# Altium PCB S6.PcbDoc (part 6 of 14) (continued)
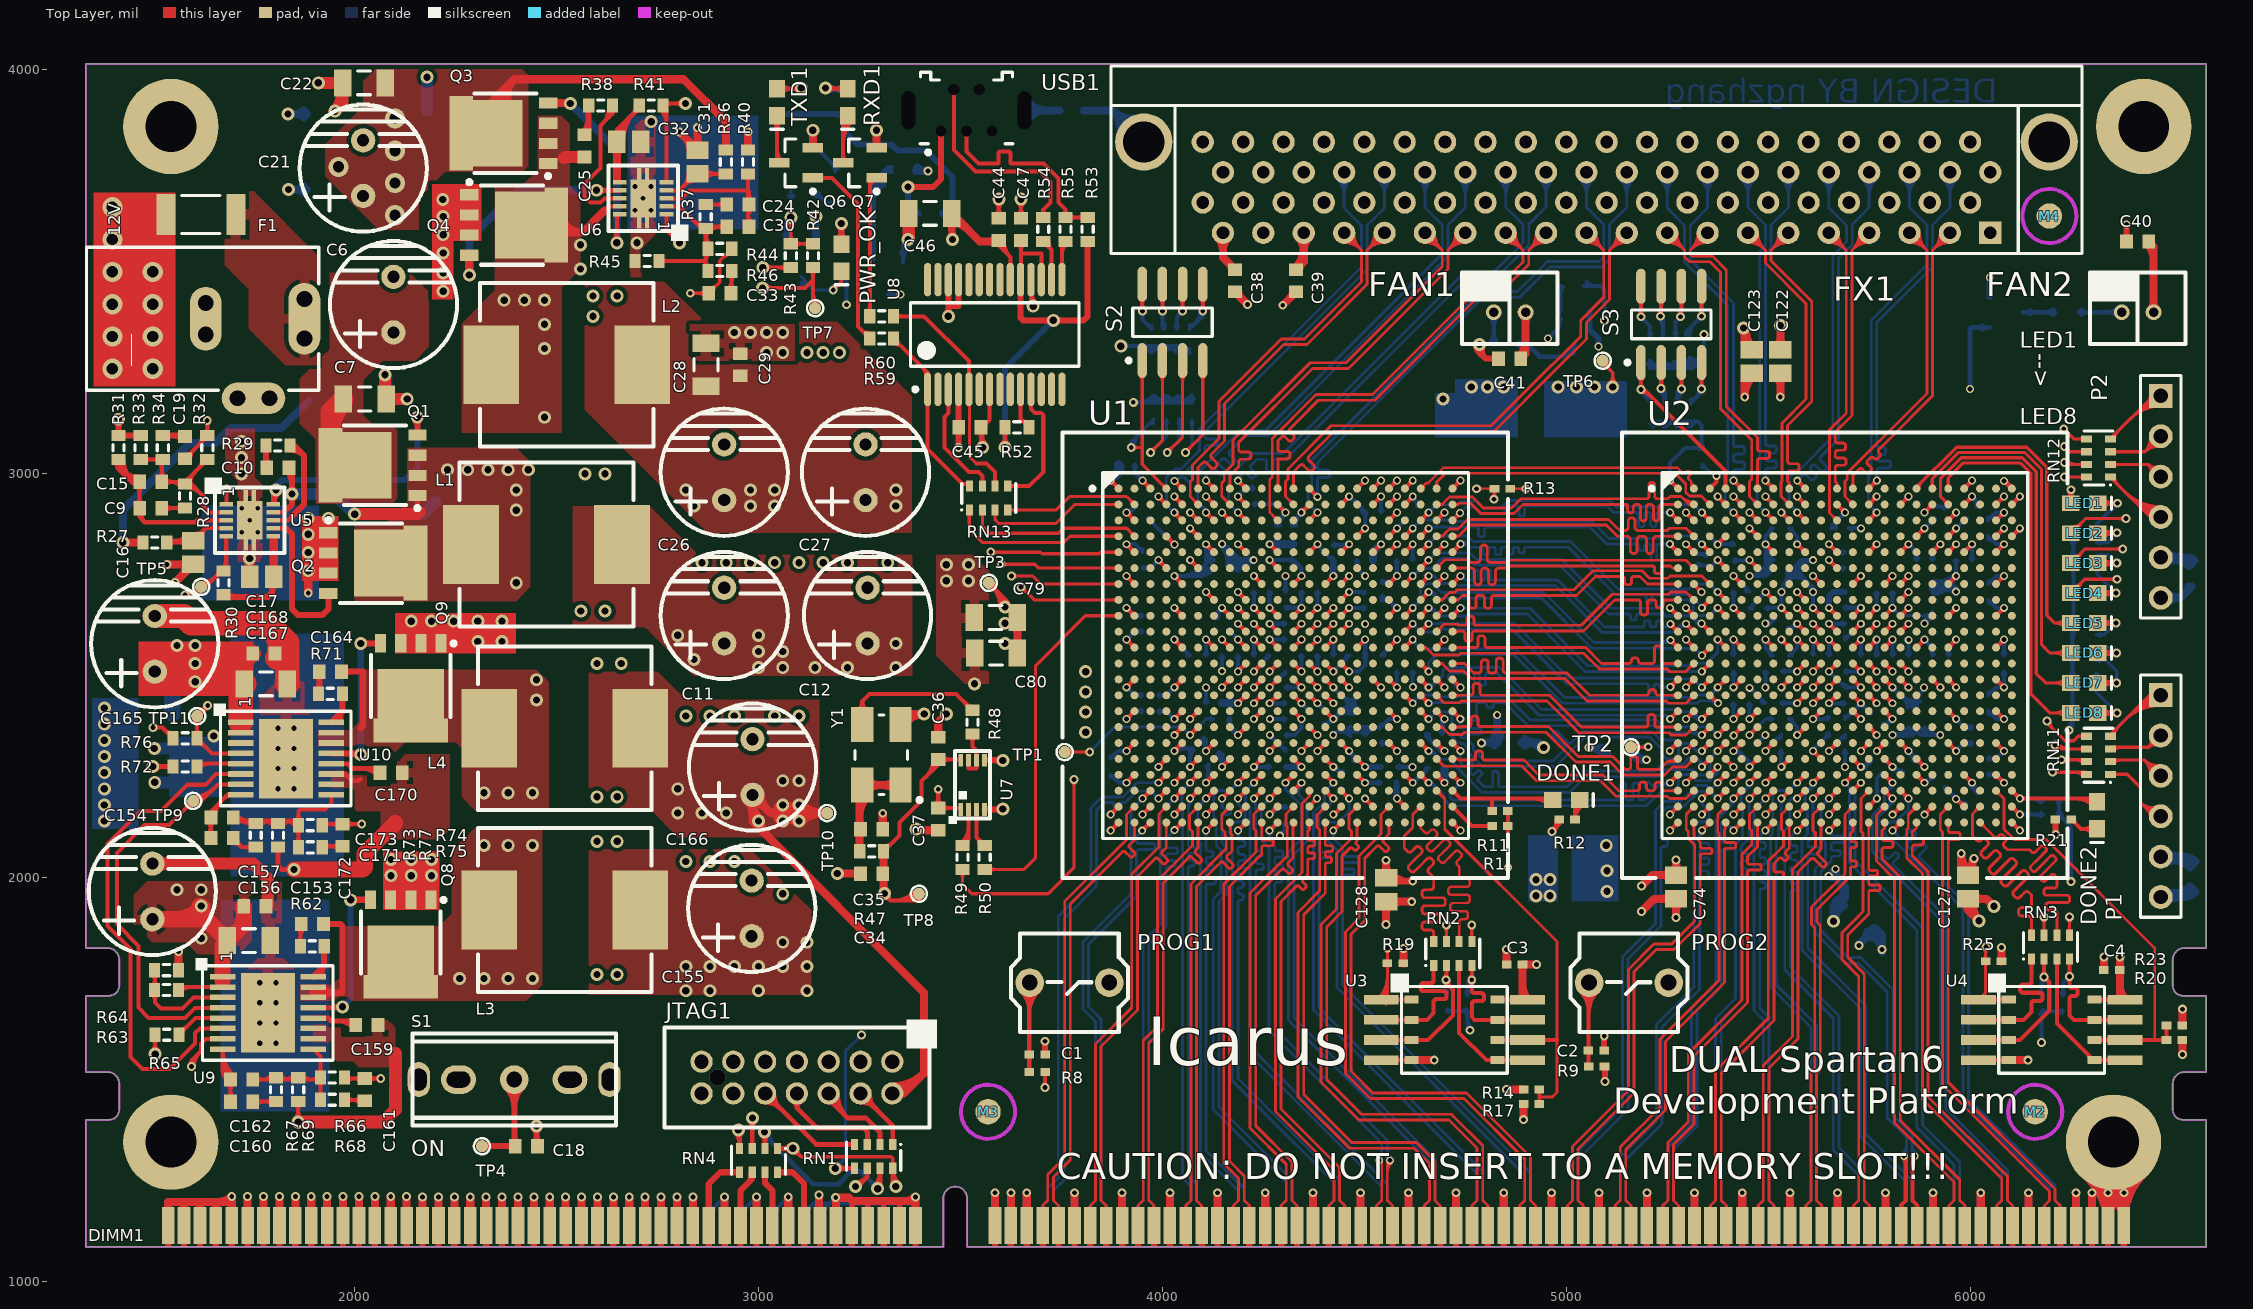
[diagram p0: Top Layer view]
## Nets (pads, with @x,y where several pads share a name; then routed paths per layer and width w, separated by ;. In a path a pad name is that pad's centre, name@x,y a point inside that pad or via, vN(x,y) a via of type N, cw(c..) or ccw(c..) an arc to the next point about the centre after c; other vN are vias at no path point) (continued)
FPGA2_SW1: RN8.5 S3.1 U2.A4 | length 581.4
  Top Layer w10: S3.1@5180.18,3239.2 cw(c5168.56,3227.57) 5185,3227.57 cw(c5201.44,3227.57) S3.1@5189.82,3239.2 ; v3@5180.76,3213.24 ccw(c5170.51,3223.49) 5185,3223.49 ccw(c5199.49,3223.49) v3@5189.24,3213.24 ; v3@5185,3203 cw(c5185,3171.62) 5207.19,3193.81 ; S3.1@5185,3275.51 v3(5185,3209) 5192,3209 5394.16,3006.84 5394.16,2963.95 U2.A4@5394.72,2963.39 ; U2.A4@5391.3,2966.81 ccw(c5384.4,2973.71) 5394.16,2973.71 ; 5394.16,2976.45 ccw(c5407.78,2976.45) U2.A4@5398.15,2966.81
  Bottom Layer w10: v3(5185,3209) 5185,3202.28 RN8.5@5212.76,3174.53 ; v3@5191,3209 ccw(c5221.7,3209) 5199.99,3187.29 ; 5197.77,3189.52 ccw(c5212.76,3204.5) RN8.5@5212.76,3183.31
FPGA2_SW2: RN8.6 S3.2 U2.D6 | length 839.2
  Top Layer w10: S3.2@5230.18,3239.2 cw(c5218.56,3227.57) 5235,3227.57 cw(c5251.44,3227.57) S3.2@5239.82,3239.2 ; v3@5230.76,3215.24 ccw(c5220.51,3225.49) 5235,3225.49 ccw(c5249.49,3225.49) v3@5239.24,3215.24 ; v3(5235,3211) S3.2@5235,3275.51 ; v1@5453.78,2860.12 cw(c5453.78,2848.43) 5462.05,2856.7 cw(c5470.31,2864.96) v1@5458.62,2864.96 ; v1(5453.78,2864.96) U2.D6@5473.46,2845.28 ; U2.D6@5468.62,2845.28 ccw(c5456.93,2845.28) 5465.2,2853.54 ccw(c5473.46,2861.81) U2.D6@5473.46,2850.12
  Mid-Layer 2 w8: v3@5230.05,3206.05 cw(c5218.1,3194.1) 5235,3194.1 cw(c5251.9,3194.1) v3@5239.95,3206.05 ; v3(5235,3211) 5235,3135 5348,3022 5348,2992.35 5364.2,2976.16 5369.23,2976.16 5395.57,2949.82 5395.57,2935.9 5406.6,2924.86 5429.14,2924.86 5434.94,2919.06 5434.94,2896.53 ; v1@5447.94,2864.98 ccw(c5403.55,2865.14) 5434.94,2896.53 ; 5448.52,2882.94 cw(c5430.63,2865.05) v1@5455.94,2864.95 ; v1@5449.97,2869.39 ccw(c5442.85,2877.68) 5453.78,2877.68 ; v1(5453.78,2864.96) 5453.78,2877.68 ; v1@5457.59,2869.39 cw(c5464.71,2877.68) 5453.78,2877.68 ; 5434.94,2896.53 5453.78,2877.68
  Bottom Layer w10: v3@5230.76,3206.76 cw(c5198.18,3174.18) RN8.6@5244.25,3174.18 ; v3(5235,3211) 5244.25,3201.75 RN8.6@5244.25,3174.53 ; v3@5237.83,3213.83 cw(c5222.32,3198.32) 5244.25,3198.32 ; RN8.6@5241.52,3182.18 ccw(c5234.94,3188.76) 5244.25,3188.76 ccw(c5253.57,3188.76) RN8.6@5246.98,3182.18
FPGA2_SW3: RN8.7 S3.3 U2.C6 | length 720.8
  Top Layer w10: S3.3@5280.18,3239.2 cw(c5268.56,3227.57) 5285,3227.57 cw(c5301.44,3227.57) S3.3@5289.82,3239.2 ; v3@5280.76,3214.24 ccw(c5270.51,3224.49) 5285,3224.49 ccw(c5299.49,3224.49) v3@5289.24,3214.24 ; v3(5285,3210) S3.3@5285,3275.51 ; v1@5453.78,2899.49 cw(c5453.78,2887.8) 5462.05,2896.07 cw(c5470.31,2904.33) v1@5458.62,2904.33 ; v1(5453.78,2904.33) U2.C6@5473.46,2884.65 ; U2.C6@5468.62,2884.65 ccw(c5456.93,2884.65) 5465.2,2892.91 ccw(c5473.46,2901.18) U2.C6@5473.46,2889.49
  Mid-Layer 2 w8: v3@5280.05,3205.05 cw(c5268.1,3193.1) 5285,3193.1 cw(c5301.9,3193.1) v3@5289.95,3205.05 ; v3(5285,3210) 5285,3117 5394,3008 5394,2972.54 5404,2962.54 5422.21,2962.54 5453.78,2930.98 v1(5453.78,2904.33) ; v1@5449.65,2908.46 ccw(c5439.67,2918.44) 5453.78,2918.44 ccw(c5467.88,2918.44) v1@5457.91,2908.46
  Bottom Layer w10: RN8.7@5273.02,3182.18 ccw(c5266.43,3188.76) 5275.75,3188.76 ccw(c5285.06,3188.76) RN8.7@5278.48,3182.18 ; RN8.7@5275.75,3173.34 cw(c5321.42,3173.34) v3@5289.23,3205.74 ; RN8.7@5275.75,3174.53 5275.75,3200.75 v3(5285,3210) ; 5275.75,3197.38 cw(c5297.54,3197.38) v3@5282.18,3212.84
FPGA2_SW4: RN8.8 S3.4 U2.C8 | length 720.1
  Top Layer w10: S3.4@5330.18,3239.2 cw(c5318.56,3227.57) 5335,3227.57 cw(c5351.44,3227.57) S3.4@5339.82,3239.2 ; v3@5330.76,3214.24 ccw(c5320.51,3224.49) 5335,3224.49 ccw(c5349.49,3224.49) v3@5339.24,3214.24 ; v3(5335,3210) S3.4@5335,3275.51 ; v1@5532.52,2899.49 cw(c5532.52,2887.8) 5540.79,2896.07 cw(c5549.05,2904.33) v1@5537.36,2904.33 ; v1(5532.52,2904.33) U2.C8@5552.2,2884.65 ; U2.C8@5547.36,2884.65 ccw(c5535.67,2884.65) 5543.94,2892.91 ccw(c5552.2,2901.18) U2.C8@5552.2,2889.49
  Mid-Layer 2 w8: v3@5330.05,3205.05 cw(c5318.1,3193.1) 5335,3193.1 cw(c5351.9,3193.1) v3@5339.95,3205.05 ; v3(5335,3210) 5335,3096 5435,2996 5435,2975.2 5486.2,2924 5512.85,2924 v1(5532.52,2904.33) ; v1@5526.68,2904.33 ccw(c5512.57,2904.33) 5522.55,2914.31 ccw(c5532.52,2924.28) v1@5532.52,2910.17
  Bottom Layer w10: RN8.8@5307.24,3174.53 5335,3202.28 v3(5335,3210) ; RN8.8@5307.24,3183.31 ccw(c5307.24,3204.5) 5322.23,3189.52 ; 5319.3,3186.58 ccw(c5295.89,3210) v3@5329,3210
FX1_FPGA1_1_N: FX1.71 U1.A5 | length 1311.6
  Top Layer w10: v1@4030,2977.64 cw(c4030,2965.95) 4038.27,2974.21 cw(c4046.53,2982.48) v1@4034.84,2982.48 ; v1(4030,2982.48) U1.A5@4049.09,2963.39 ; U1.A5@4044.25,2963.39 ccw(c4032.56,2963.39) 4040.83,2971.65 ccw(c4049.09,2979.92) U1.A5@4049.09,2968.23
  Bottom Layer w7: v1@4029.73,2982.75 4036.25,2982.75 4044.95,2991.45 ; v1@4032.07,2988.48 ccw(c4036.13,3000.26) 4044.95,2991.45 ; FX1.71@4532.99,3729.6 cw(c4491.92,3688.53) 4550,3688.53 cw(c4608.08,3688.53) FX1.71@4567.01,3729.6 ; FX1.71@4537.94,3734.55 cw(c4508.82,3705.43) 4550,3705.43 cw(c4591.18,3705.43) FX1.71@4562.06,3734.55 ; FX1.71@4550,3746.61 4550,3658 4507,3615 4507,3506 4105.7,3104.7 4105.7,3091.6 ccw(c4111.3,3091.6) 4111.3,3086 4131.81,3086 cw(c4131.81,3080.4) 4137.41,3080.4 4137.41,3075.6 cw(c4131.81,3075.6) 4131.81,3070 4111.3,3070 ccw(c4111.3,3064.4) 4105.7,3064.4 4105.7,3062 4105.7,3052.2 4064.18,3010.68 ccw(c4068.14,3006.72) 4064.18,3002.76 4074.02,2992.92 cw(c4070.06,2988.96) 4074.02,2985 4070.62,2981.61 cw(c4066.66,2985.57) 4062.71,2981.61 4052.87,2991.45 ccw(c4048.91,2987.49) 4044.95,2991.45
  Bottom Layer w10: v1@4029.73,2982.75 v1(4030,2982.48)
FX1_FPGA1_1_P: FX1.73 U1.C5 | length 1321.8
  Top Layer w10: v1@4029.41,2899.49 cw(c4029.41,2887.8) 4037.68,2896.06 cw(c4045.94,2904.33) v1@4034.25,2904.33 ; v1(4029.41,2904.33) U1.C5@4049.09,2884.65 ; U1.C5@4044.25,2884.65 ccw(c4032.56,2884.65) 4040.83,2892.91 ccw(c4049.09,2901.18) U1.C5@4049.09,2889.49
  Bottom Layer w7: v1@4023.07,2904.33 ccw(c4007.75,2904.33) 4018.58,2915.16 ccw(c4029.41,2925.99) v1@4029.41,2910.67 ; v1(4029.41,2904.33) 4010,2923.74 4010,2973.37 4009.66,2973.71 4009.66,2990.91 4030.85,3012.1 4045.8,3012.1 4091.7,3058 4091.7,3110.5 4493,3511.8 4493,3615 4450,3658 FX1.73@4450,3746.61 ; FX1.73@4432.99,3729.6 cw(c4391.92,3688.53) 4450,3688.53 cw(c4508.08,3688.53) FX1.73@4467.01,3729.6 ; FX1.73@4437.94,3734.55 cw(c4408.82,3705.43) 4450,3705.43 cw(c4491.18,3705.43) FX1.73@4462.06,3734.55
FX1_FPGA1_2_N: FX1.31 U1.A6 | length 1087
  Top Layer w7: U1.A6@4083.98,2967.87 ccw(c4073.15,2978.7) 4088.46,2978.7 ccw(c4103.78,2978.7) U1.A6@4092.95,2967.87 ; U1.A6@4088.46,2963.39 4088.46,3015.67 4098,3025.2 4099.91,3027.11 cw(c4104.36,3022.66) 4108.82,3027.11 4120.97,3014.96 ccw(c4125.42,3019.42) 4129.87,3014.96 4133.69,3018.78 ccw(c4129.24,3023.24) 4133.69,3027.69 4121.55,3039.84 cw(c4126,3044.29) 4121.55,3048.75 4127.9,3055.1 4154,3081.2 4154,3174 4300,3320 4357.8,3320 4507,3469.2 4507,3553.61 FX1.31@4550,3596.61 ; FX1.31@4525.94,3596.61 cw(c4467.86,3596.61) 4508.93,3555.54 cw(c4550,3514.47) FX1.31@4550,3572.56 ; FX1.31@4532.94,3596.61 cw(c4491.76,3596.61) 4520.88,3567.49 cw(c4550,3538.37) FX1.31@4550,3579.56
FX1_FPGA1_2_P: FX1.33 U1.B6 | length 1087.9
  Top Layer w7: U1.B6@4082.12,2924.02 ccw(c4066.81,2924.02) 4077.64,2934.84 ccw(c4088.46,2945.67) U1.B6@4088.46,2930.36 ; U1.B6@4088.46,2924.02 4069,2943.48 4069,2980.54 4074.46,2986 4074.46,3021.46 4140,3087 4140,3179.8 4294.2,3334 4352,3334 4493,3475 4493,3553.61 FX1.33@4450,3596.61 ; FX1.33@4450,3572.56 cw(c4450,3514.47) 4491.07,3555.54 cw(c4532.14,3596.61) FX1.33@4474.06,3596.61 ; FX1.33@4450,3579.56 cw(c4450,3538.37) 4479.12,3567.49 cw(c4508.24,3596.61) FX1.33@4467.06,3596.61
FX1_FPGA1_3_N: FX1.67 U1.A7 | length 1396
  Top Layer w10: v1@4108,2978.38 cw(c4108,2966.69) 4116.27,2974.95 cw(c4124.53,2983.22) v1@4112.84,2983.22 ; v1(4108,2983.22) U1.A7@4127.83,2963.39 ; U1.A7@4122.99,2963.39 ccw(c4111.3,2963.39) 4119.57,2971.65 ccw(c4127.83,2979.92) U1.A7@4127.83,2968.23
  Bottom Layer w7: v1@4103.88,2988.04 ccw(c4096.2,2997) 4108,2997 ; v1(4108,2983.22) 4108,2997 ; v1@4112.12,2988.04 cw(c4119.8,2997) 4108,2997 ; FX1.67@4732.99,3729.6 cw(c4691.92,3688.53) 4750,3688.53 cw(c4808.08,3688.53) FX1.67@4767.01,3729.6 ; FX1.67@4737.94,3734.55 cw(c4708.82,3705.43) 4750,3705.43 cw(c4791.18,3705.43) FX1.67@4762.06,3734.55 ; FX1.67@4750,3746.61 4750,3659 4707,3616 4707,3539.2 4299.8,3132 4261.8,3094 4205,3094 4175,3064 4166.93,3055.93 ccw(c4170.89,3051.97) 4166.93,3048.01 4178.66,3036.28 cw(c4174.7,3032.32) 4178.66,3028.36 4175.27,3024.96 cw(c4171.31,3028.92) 4167.35,3024.96 4155.62,3036.7 ccw(c4151.66,3032.74) 4147.7,3036.7 4146,3035 4141.43,3030.43 ccw(c4145.39,3026.47) 4141.43,3022.51 4153.31,3010.63 cw(c4149.35,3006.67) 4153.31,3002.71 4149.92,2999.32 cw(c4145.96,3003.28) 4142,2999.32 4130.12,3011.2 ccw(c4126.16,3007.24) 4122.2,3011.2 4120.5,3009.5 4108,2997
FX1_FPGA1_3_P: FX1.69 U1.C7 | length 1412.6
  Top Layer w10: v1@4108.15,2899.49 cw(c4108.15,2887.8) 4116.42,2896.06 cw(c4124.68,2904.33) v1@4112.99,2904.33 ; v1(4108.15,2904.33) U1.C7@4127.83,2884.65 ; U1.C7@4122.99,2884.65 ccw(c4111.3,2884.65) 4119.57,2892.91 ccw(c4127.83,2901.18) U1.C7@4127.83,2889.49
  Bottom Layer w7: 4092.59,2926.58 cw(c4070.34,2904.33) v1@4101.81,2904.33 ; 4104.54,2914.63 cw(c4094.24,2904.33) v1@4108.81,2904.33 ; v1(4108.15,2904.33) 4108.15,2911.02 4087.66,2931.51 4087.66,3002.11 4193.54,3108 4256,3108 4693,3545 4693,3616 4650,3659 FX1.69@4650,3746.61 ; FX1.69@4632.99,3729.6 cw(c4591.92,3688.53) 4650,3688.53 cw(c4708.08,3688.53) FX1.69@4667.01,3729.6 ; FX1.69@4637.94,3734.55 cw(c4608.82,3705.43) 4650,3705.43 cw(c4691.18,3705.43) FX1.69@4662.06,3734.55
FX1_FPGA1_4_N: FX1.27 U1.A8 | length 1156
  Top Layer w7: U1.A8@4162.72,2967.87 ccw(c4151.89,2978.7) 4167.2,2978.7 ccw(c4182.52,2978.7) U1.A8@4171.69,2967.87 ; U1.A8@4167.2,2963.39 4167.2,2996.2 4189,3018 4189,3027 4189,3029.7 cw(c4195.3,3029.7) 4195.3,3036 4212.78,3036 ccw(c4212.78,3042.3) 4219.08,3042.3 4219.08,3047.7 ccw(c4212.78,3047.7) 4212.78,3054 4195.3,3054 cw(c4195.3,3060.3) 4189,3060.3 4189,3078 4372,3261 4460.8,3261 4707,3507.2 4707,3553.61 FX1.27@4750,3596.61 ; FX1.27@4725.94,3596.61 cw(c4667.86,3596.61) 4708.93,3555.54 cw(c4750,3514.47) FX1.27@4750,3572.56 ; FX1.27@4732.94,3596.61 cw(c4691.76,3596.61) 4720.88,3567.49 cw(c4750,3538.37) FX1.27@4750,3579.56
FX1_FPGA1_4_P: FX1.29 U1.B8 | length 1156.9
  Top Layer w7: U1.B8@4160.86,2924.02 ccw(c4145.55,2924.02) 4156.38,2934.84 ccw(c4167.2,2945.67) U1.B8@4167.2,2930.36 ; U1.B8@4167.2,2924.02 4147,2944.22 4147,2976.8 4153.2,2983 4153.2,3002 4175,3023.8 4175,3083.8 4366.2,3275 4455,3275 4693,3513 4693,3553.61 FX1.29@4650,3596.61 ; FX1.29@4650,3572.56 cw(c4650,3514.47) 4691.07,3555.54 cw(c4732.14,3596.61) FX1.29@4674.06,3596.61 ; FX1.29@4650,3579.56 cw(c4650,3538.37) 4679.12,3567.49 cw(c4708.24,3596.61) FX1.29@4667.06,3596.61
FX1_FPGA1_5_N: FX1.63 U1.A9 | length 1498.5
  Top Layer w10: v1@4187,2978.12 cw(c4187,2966.43) 4195.27,2974.69 cw(c4203.53,2982.96) v1@4191.84,2982.96 ; v1(4187,2982.96) U1.A9@4206.57,2963.39 ; U1.A9@4201.73,2963.39 ccw(c4190.04,2963.39) 4198.31,2971.65 ccw(c4206.57,2979.92) U1.A9@4206.57,2968.23
  Bottom Layer w7: v1@4191,2986.96 4191,2993 4199.7,3001.7 ; v1@4193.31,2983.63 cw(c4215.42,2985.97) 4199.7,3001.7 ; FX1.63@4932.99,3729.6 cw(c4891.92,3688.53) 4950,3688.53 cw(c5008.08,3688.53) FX1.63@4967.01,3729.6 ; FX1.63@4937.94,3734.55 cw(c4908.82,3705.43) 4950,3705.43 cw(c4991.18,3705.43) FX1.63@4962.06,3734.55 ; FX1.63@4950,3746.61 4950,3661 4907,3618 4907,3566 4821,3480 4749,3480 4305,3036 4286,3036 4279.6,3036 ccw(c4279.6,3030.4) 4274,3030.4 4274,3011.56 cw(c4268.4,3011.56) 4268.4,3005.96 4263.6,3005.96 cw(c4263.6,3011.56) 4258,3011.56 4258,3030.4 ccw(c4252.4,3030.4) 4252.4,3036 4242,3036 4234,3036 4218.93,3020.93 ccw(c4222.89,3016.97) 4218.93,3013.01 4230.1,3001.84 cw(c4226.14,2997.88) 4230.1,2993.92 4226.71,2990.52 cw(c4222.75,2994.48) 4218.79,2990.52 4207.62,3001.7 ccw(c4203.66,2997.74) 4199.7,3001.7
  Bottom Layer w10: v1(4187,2982.96) v1@4191,2986.96
FX1_FPGA1_5_P: FX1.65 U1.C9 | length 1503.5
  Top Layer w10: v1@4186.89,2899.49 cw(c4186.89,2887.8) 4195.16,2896.06 cw(c4203.42,2904.33) v1@4191.73,2904.33 ; v1(4186.89,2904.33) U1.C9@4206.57,2884.65 ; U1.C9@4201.73,2884.65 ccw(c4190.04,2884.65) 4198.31,2892.91 ccw(c4206.57,2901.18) U1.C9@4206.57,2889.49
  Bottom Layer w7: v1@4180.55,2904.33 ccw(c4165.24,2904.33) 4176.06,2915.16 ccw(c4186.89,2925.99) v1@4186.89,2910.67 ; v1(4186.89,2904.33) 4164.16,2927.06 4164.16,2992.42 4221.74,3050 4299.2,3050 4743.2,3494 4815.2,3494 4893,3571.8 4893,3618 4850,3661 FX1.65@4850,3746.61 ; FX1.65@4832.99,3729.6 cw(c4791.92,3688.53) 4850,3688.53 cw(c4908.08,3688.53) FX1.65@4867.01,3729.6 ; FX1.65@4837.94,3734.55 cw(c4808.82,3705.43) 4850,3705.43 cw(c4891.18,3705.43) FX1.65@4862.06,3734.55
FX1_FPGA1_6_N: FX1.23 U1.A11 | length 1285
  Top Layer w7: U1.A11@4280.83,2967.87 ccw(c4268.35,2980.35) 4286,2980.35 ; U1.A11@4286,2964.07 4286,3036 cw(c4287,3036) 4287,3037 4309.7,3037 ccw(c4309.7,3043.3) 4316,3043.3 4316,3048.7 ccw(c4309.7,3048.7) 4309.7,3055 4292.3,3055 cw(c4292.3,3061.3) 4286,3061.3 4286,3073 4286,3082 4293,3089 4294.91,3090.91 cw(c4299.36,3086.45) 4303.82,3090.91 4312.06,3082.66 ccw(c4316.52,3087.12) 4320.97,3082.66 4324.79,3086.48 ccw(c4320.34,3090.94) 4324.79,3095.39 4316.55,3103.64 cw(c4321,3108.09) 4316.55,3112.55 4337.5,3133.5 4386,3182 4526,3182 4800,3456 4844.8,3456 4907,3518.2 4907,3553.61 FX1.23@4950,3596.61 ; 4286,2977.04 ccw(c4298.97,2977.04) U1.A11@4289.8,2967.87 ; FX1.23@4925.94,3596.61 cw(c4867.86,3596.61) 4908.93,3555.54 cw(c4950,3514.47) FX1.23@4950,3572.56 ; FX1.23@4932.94,3596.61 cw(c4891.76,3596.61) 4920.88,3567.49 cw(c4950,3538.37) FX1.23@4950,3579.56
FX1_FPGA1_6_P: FX1.25 U1.C11 | length 1285.7
  Top Layer w7: U1.C11@4278.97,2884.65 ccw(c4263.66,2884.65) 4274.49,2895.47 ccw(c4285.31,2906.3) U1.C11@4285.31,2890.99 ; U1.C11@4285.31,2884.65 4266,2903.96 4266,2986 4272,2992 4272,3087.8 4380.2,3196 4520.2,3196 4794.2,3470 4839,3470 4893,3524 4893,3553.61 FX1.25@4850,3596.61 ; FX1.25@4850,3572.56 cw(c4850,3514.47) 4891.07,3555.54 cw(c4932.14,3596.61) FX1.25@4874.06,3596.61 ; FX1.25@4850,3579.56 cw(c4850,3538.37) 4879.12,3567.49 cw(c4908.24,3596.61) FX1.25@4867.06,3596.61
FX1_FPGA1_7_N: FX1.19 U1.A12 | length 1437
  Top Layer w7: U1.A12@4320.2,2967.87 ccw(c4309.37,2978.7) 4324.69,2978.7 ccw(c4340,2978.7) U1.A12@4329.17,2967.87 ; U1.A12@4324.69,2963.39 4324.69,3004.69 4339,3019 4340.91,3020.91 cw(c4345.36,3016.45) 4349.82,3020.91 4362.39,3008.34 ccw(c4366.85,3012.79) 4371.3,3008.34 4375.12,3012.16 ccw(c4370.66,3016.61) 4375.12,3021.06 4362.55,3033.64 cw(c4367,3038.09) 4362.55,3042.55 4425,3105 4820.8,3105 4970.8,3255 4971,3255 5050,3334 5050,3374.2 5107,3431.2 5107,3553.61 FX1.19@5150,3596.61 ; FX1.19@5125.94,3596.61 cw(c5067.86,3596.61) 5108.93,3555.54 cw(c5150,3514.47) FX1.19@5150,3572.56 ; FX1.19@5132.94,3596.61 cw(c5091.76,3596.61) 5120.88,3567.49 cw(c5150,3538.37) FX1.19@5150,3579.56
FX1_FPGA1_7_P: FX1.21 U1.B12 | length 1437.7
  Top Layer w7: U1.B12@4318.34,2924.02 ccw(c4303.03,2924.02) 4313.86,2934.84 ccw(c4324.69,2945.67) U1.B12@4324.69,2930.36 ; U1.B12@4324.69,2924.02 4305,2943.7 4305,2981 4310.69,2986.69 4310.69,3011.9 4417.79,3119 4814,3119 4965,3270 4966.2,3270 5036,3339.8 5036,3380 5093,3437 5093,3553.61 FX1.21@5050,3596.61 ; FX1.21@5050,3572.56 cw(c5050,3514.47) 5091.07,3555.54 cw(c5132.14,3596.61) FX1.21@5074.06,3596.61 ; FX1.21@5050,3579.56 cw(c5050,3538.37) 5079.12,3567.49 cw(c5108.24,3596.61) FX1.21@5067.06,3596.61
FX1_FPGA1_8_N: FX1.59 U1.A13 | length 1546.7
  Top Layer w10: U1.A13@4364.06,2958.54 cw(c4364.06,2948.54) 4371.13,2955.61 ; U1.A13@4364.06,2962.68 v1(4383.74,2943) ; U1.A13@4368.9,2963.39 ccw(c4382.28,2963.39) 4372.82,2953.92 ; v1@4378.9,2943 ccw(c4367.21,2943) 4375.47,2951.27 ccw(c4383.74,2959.53) v1@4383.74,2947.84 ; v1@4384,2943 v1@4384,2943.44
  Bottom Layer w7: v1@4379.26,2947.48 ccw(c4368.43,2958.31) 4383.74,2958.31 ccw(c4399.05,2958.31) v1@4388.22,2947.48 ; v1(4383.74,2943) 4383.74,2985 cw(c4389.74,2985) 4389.74,2991 4408.76,2991 ccw(c4408.76,2997.3) 4415.06,2997.3 4415.06,3002.7 ccw(c4408.76,3002.7) 4408.76,3009 4390.04,3009 cw(c4390.04,3015.3) 4383.74,3015.3 4383.74,3018 4383.74,3027.74 4793,3437 4884.9,3437 4959.9,3512 5087.8,3512 5091.9,3516.1 5107,3531.2 5107,3617 5150,3660 FX1.59@5150,3746.61 ; FX1.59@5132.99,3729.6 cw(c5091.92,3688.53) 5150,3688.53 cw(c5208.08,3688.53) FX1.59@5167.01,3729.6 ; FX1.59@5137.94,3734.55 cw(c5108.82,3705.43) 5150,3705.43 cw(c5191.18,3705.43) FX1.59@5162.06,3734.55
FX1_FPGA1_8_P: FX1.61 U1.C13 | length 1546.8
  Top Layer w10: U1.C13@4364.06,2884.65 v1(4383.74,2904.33) ; U1.C13@4364.06,2889.49 ccw(c4364.06,2901.18) 4372.32,2892.91 ccw(c4380.59,2884.65) U1.C13@4368.9,2884.65 ; v1@4378.9,2904.33 cw(c4367.21,2904.33) 4375.47,2896.06 cw(c4383.74,2887.8) v1@4383.74,2899.49
  Bottom Layer w7: v1@4377.4,2904.33 ccw(c4362.09,2904.33) 4372.91,2915.16 ccw(c4383.74,2925.99) v1@4383.74,2910.67 ; v1(4383.74,2904.33) 4360.9,2927.17 4360.9,2955.9 4369.74,2964.74 4369.74,3033.54 4784.2,3448 4787.2,3451 4879.1,3451 4950,3521.9 4950,3523 4953,3526 5082,3526 5093,3537 5093,3617 5050,3660 FX1.61@5050,3746.61 ; FX1.61@5032.99,3729.6 cw(c4991.92,3688.53) 5050,3688.53 cw(c5108.08,3688.53) FX1.61@5067.01,3729.6 ; FX1.61@5037.94,3734.55 cw(c5008.82,3705.43) 5050,3705.43 cw(c5091.18,3705.43) FX1.61@5062.06,3734.55
FX1_FPGA2_1_N: FX1.55 U2.A5 | length 1159.7
  Top Layer w10: v1@5414,2978.64 cw(c5414,2966.95) 5422.27,2975.21 cw(c5430.53,2983.48) v1@5418.84,2983.48 ; v1(5414,2983.48) U2.A5@5434.09,2963.39 ; U2.A5@5429.25,2963.39 ccw(c5417.56,2963.39) 5425.83,2971.65 ccw(c5434.09,2979.92) U2.A5@5434.09,2968.23
  Bottom Layer w7: FX1.55@5332.99,3729.6 cw(c5291.92,3688.53) 5350,3688.53 cw(c5408.08,3688.53) FX1.55@5367.01,3729.6 ; FX1.55@5337.94,3734.55 cw(c5308.82,3705.43) 5350,3705.43 cw(c5391.18,3705.43) FX1.55@5362.06,3734.55 ; FX1.55@5350,3746.61 5350,3658 5307,3615 5307,3530 5391,3446 5414,3423 5414,3073.6 ccw(c5420.3,3073.6) 5420.3,3067.3 5435.17,3067.3 cw(c5435.17,3061) 5441.47,3061 5441.47,3055.6 cw(c5435.17,3055.6) 5435.17,3049.3 5420.3,3049.3 ccw(c5420.3,3043) 5414,3043 5414,3035.3 ccw(c5420.3,3035.3) 5420.3,3029 5435.7,3029 cw(c5435.7,3022.7) 5442,3022.7 5442,3017.3 cw(c5435.7,3017.3) 5435.7,3011 5420.3,3011 ccw(c5420.3,3004.7) 5414,3004.7 v1(5414,2983.48) ; v1@5409.52,2987.97 ccw(c5398.69,2998.79) 5414,2998.79 ccw(c5429.31,2998.79) v1@5418.48,2987.97
FX1_FPGA2_1_P: FX1.57 U2.C5 | length 1160.2
  Top Layer w10: v1@5414.41,2899.49 cw(c5414.41,2887.8) 5422.68,2896.06 cw(c5430.94,2904.33) v1@5419.25,2904.33 ; v1(5414.41,2904.33) U2.C5@5434.09,2884.65 ; U2.C5@5429.25,2884.65 ccw(c5417.56,2884.65) 5425.83,2892.91 ccw(c5434.09,2901.18) U2.C5@5434.09,2889.49
  Bottom Layer w7: FX1.57@5232.99,3729.6 cw(c5191.92,3688.53) 5250,3688.53 cw(c5308.08,3688.53) FX1.57@5267.01,3729.6 ; FX1.57@5237.94,3734.55 cw(c5208.82,3705.43) 5250,3705.43 cw(c5291.18,3705.43) FX1.57@5262.06,3734.55 ; FX1.57@5250,3746.61 5250,3658 5293,3615 5293,3524.2 5400,3417.2 5400,3008.2 5393.66,3001.86 5393.66,2925.08 v1(5414.41,2904.33) ; v1@5408.07,2904.33 ccw(c5392.75,2904.33) 5403.58,2915.16 ccw(c5414.41,2925.99) v1@5414.41,2910.67
FX1_FPGA2_2_N: FX1.15 U2.A6 | length 979
  Top Layer w7: FX1.15@5325.94,3596.61 cw(c5267.86,3596.61) 5308.93,3555.54 cw(c5350,3514.47) FX1.15@5350,3572.56 ; FX1.15@5332.94,3596.61 cw(c5291.76,3596.61) 5320.88,3567.49 cw(c5350,3538.37) FX1.15@5350,3579.56 ; FX1.15@5350,3596.61 5307.21,3553.82 5307.21,3543 5311.21,3539 5361.8,3539 5396,3504.8 5396,3167 5473.46,3089.54 5473.46,3076 5473.46,3062.3 ccw(c5479.76,3062.3) 5479.76,3056 5497.34,3056 cw(c5497.34,3049.7) 5503.64,3049.7 5503.64,3044.3 cw(c5497.34,3044.3) 5497.34,3038 5479.76,3038 ccw(c5479.76,3031.7) 5473.46,3031.7 5473.46,3029 U2.A6@5473.46,2963.39 ; U2.A6@5468.98,2967.87 ccw(c5458.15,2978.7) 5473.46,2978.7 ccw(c5488.78,2978.7) U2.A6@5477.95,2967.87
FX1_FPGA2_2_P: FX1.17 U2.B6 | length 979.3
  Top Layer w7: FX1.17@5250,3572.56 cw(c5250,3514.47) 5291.07,3555.54 cw(c5332.14,3596.61) FX1.17@5274.06,3596.61 ; FX1.17@5250,3579.56 cw(c5250,3538.37) 5279.12,3567.49 cw(c5308.24,3596.61) FX1.17@5267.06,3596.61 ; FX1.17@5250,3596.61 5293.21,3553.41 5293.21,3537.2 5305.41,3525 5356,3525 5382,3499 5382,3161.2 5459.46,3083.74 5459.46,2986.46 5454,2981 5454,2943.48 U2.B6@5473.46,2924.02 ; U2.B6@5467.12,2924.02 ccw(c5451.81,2924.02) 5462.64,2934.84 ccw(c5473.46,2945.67) U2.B6@5473.46,2930.36
FX1_FPGA2_3_N: FX1.51 U2.A7 | length 1120.7
  Top Layer w10: v1@5493,2978.38 cw(c5493,2966.69) 5501.27,2974.95 cw(c5509.53,2983.22) v1@5497.84,2983.22 ; v1(5493,2983.22) U2.A7@5512.83,2963.39 ; U2.A7@5507.99,2963.39 ccw(c5496.3,2963.39) 5504.57,2971.65 ccw(c5512.83,2979.92) U2.A7@5512.83,2968.23
  Bottom Layer w7: v1@5488.52,2987.71 ccw(c5477.69,2998.53) 5493,2998.53 ccw(c5508.31,2998.53) v1@5497.48,2987.71 ; v1(5493,2983.22) 5493,3007.7 cw(c5499.3,3007.7) 5499.3,3014 5514.7,3014 ccw(c5514.7,3020.3) 5521,3020.3 5521,3025.7 ccw(c5514.7,3025.7) 5514.7,3032 5499.3,3032 cw(c5499.3,3038.3) 5493,3038.3 5493,3044.7 cw(c5499.3,3044.7) 5499.3,3051 5513.99,3051 ccw(c5513.99,3057.3) 5520.29,3057.3 5520.29,3062.7 ccw(c5513.99,3062.7) 5513.99,3069 5499.3,3069 cw(c5499.3,3075.3) 5493,3075.3 5493,3543.2 5507,3557.2 5507,3616 5550,3659 FX1.51@5550,3746.61 ; FX1.51@5532.99,3729.6 cw(c5491.92,3688.53) 5550,3688.53 cw(c5608.08,3688.53) FX1.51@5567.01,3729.6 ; FX1.51@5537.94,3734.55 cw(c5508.82,3705.43) 5550,3705.43 cw(c5591.18,3705.43) FX1.51@5562.06,3734.55
FX1_FPGA2_3_P: FX1.53 U2.C7 | length 1121.6
  Top Layer w10: v1@5493.15,2899.49 cw(c5493.15,2887.8) 5501.42,2896.06 cw(c5509.68,2904.33) v1@5497.99,2904.33 ; v1(5493.15,2904.33) U2.C7@5512.83,2884.65 ; U2.C7@5507.99,2884.65 ccw(c5496.3,2884.65) 5504.57,2892.91 ccw(c5512.83,2901.18) U2.C7@5512.83,2889.49
  Bottom Layer w7: FX1.53@5432.99,3729.6 cw(c5391.92,3688.53) 5450,3688.53 cw(c5508.08,3688.53) FX1.53@5467.01,3729.6 ; FX1.53@5437.94,3734.55 cw(c5408.82,3705.43) 5450,3705.43 cw(c5491.18,3705.43) FX1.53@5462.06,3734.55 ; FX1.53@5450,3746.61 5450,3659 5493,3616 5493,3563 5479,3549 5479,2997.99 5472.66,2991.65 5472.66,2924.82 v1(5493.15,2904.33) ; v1@5486.81,2904.33 ccw(c5471.5,2904.33) 5482.32,2915.16 ccw(c5493.15,2925.99) v1@5493.15,2910.67
FX1_FPGA2_4_N: FX1.11 U2.A8 | length 941.9
  Top Layer w6: U2.A8@5552,2963.18 U2.A8@5552.2,2963.39
  Top Layer w7: FX1.11@5525.94,3596.61 cw(c5467.86,3596.61) 5508.93,3555.54 cw(c5550,3514.47) FX1.11@5550,3572.56 ; FX1.11@5532.94,3596.61 cw(c5491.76,3596.61) 5520.88,3567.49 cw(c5550,3538.37) FX1.11@5550,3579.56 ; U2.A8@5548.12,2968.24 ccw(c5540.77,2977) 5552.2,2977 ; FX1.11@5550,3596.61 5507.21,3553.82 5507.21,3527.5 5608,3426.71 5608,3179.2 5548,3119.2 5548,3094 5548,3031.3 ccw(c5554.3,3031.3) 5554.3,3025 5570.31,3025 cw(c5570.31,3018.7) 5576.61,3018.7 5576.61,3013.3 cw(c5570.31,3013.3) 5570.31,3007 5554.3,3007 ccw(c5554.3,3000.7) 5548,3000.7 5548,2998 5548,2981.2 5552.2,2977 ; U2.A8@5552.2,2963.39 5552.2,2977 ; U2.A8@5556.28,2968.24 cw(c5563.64,2977) 5552.2,2977
FX1_FPGA2_4_P: FX1.13 U2.B8 | length 946.3
  Top Layer w7: FX1.13@5450,3572.56 cw(c5450,3514.47) 5491.07,3555.54 cw(c5532.14,3596.61) FX1.13@5474.06,3596.61 ; FX1.13@5450,3579.56 cw(c5450,3538.37) 5479.12,3567.49 cw(c5508.24,3596.61) FX1.13@5467.06,3596.61 ; FX1.13@5450,3596.61 5493.21,3553.41 5493.21,3521.7 5594,3420.91 5594,3185 5535,3126 5534,3125 5534,2981 5532,2979 5532,2944.22 U2.B8@5552.2,2924.02 ; U2.B8@5545.86,2924.02 ccw(c5530.55,2924.02) 5541.38,2934.84 ccw(c5552.2,2945.67) U2.B8@5552.2,2930.36
FX1_FPGA2_5_N: FX1.47 U2.A9 | length 1176.7
  Top Layer w10: v1@5572,2978.12 cw(c5572,2966.43) 5580.27,2974.69 cw(c5588.53,2982.96) v1@5576.84,2982.96 ; v1(5572,2982.96) U2.A9@5591.57,2963.39 ; U2.A9@5586.73,2963.39 ccw(c5575.04,2963.39) 5583.31,2971.65 ccw(c5591.57,2979.92) U2.A9@5591.57,2968.23
  Bottom Layer w7: v1(5572,2982.96) 5572,2984.2 5584.81,2997.01 cw(c5589.26,2992.55) 5593.72,2997.01 5604.61,2986.12 ccw(c5609.06,2990.57) 5613.52,2986.12 5617.34,2989.94 ccw(c5612.88,2994.39) 5617.34,2998.85 5606.45,3009.74 cw(c5610.9,3014.19) 5606.45,3018.65 5608.36,3020.56 cw(c5612.81,3016.1) 5617.26,3020.56 5629.77,3008.05 ccw(c5634.22,3012.51) 5638.68,3008.05 5642.5,3011.87 ccw(c5638.04,3016.33) 5642.5,3020.78 5629.99,3033.28 cw(c5634.45,3037.74) 5629.99,3042.19 5674,3086.2 5674,3533.9 5708,3567.9 5708,3617 5750,3659 FX1.47@5750,3746.61 ; v1@5572,2989.3 ccw(c5572,3001.62) 5580.71,2992.91 ; v1@5578.34,2982.96 cw(c5596.65,2982.96) 5583.7,2995.91 ; FX1.47@5732.99,3729.6 cw(c5691.92,3688.53) 5750,3688.53 cw(c5808.08,3688.53) FX1.47@5767.01,3729.6 ; FX1.47@5737.94,3734.55 cw(c5708.82,3705.43) 5750,3705.43 cw(c5791.18,3705.43) FX1.47@5762.06,3734.55
FX1_FPGA2_5_P: FX1.49 U2.C9 | length 1176.9
  Top Layer w10: v1@5571.89,2899.49 cw(c5571.89,2887.8) 5580.16,2896.06 cw(c5588.42,2904.33) v1@5576.73,2904.33 ; v1(5571.89,2904.33) U2.C9@5591.57,2884.65 ; U2.C9@5586.73,2884.65 ccw(c5575.04,2884.65) 5583.31,2892.91 ccw(c5591.57,2901.18) U2.C9@5591.57,2889.49
  Bottom Layer w7: 5559.16,2919.74 cw(c5543.75,2904.33) v1@5565.55,2904.33 ; 5565.65,2913.26 ccw(c5571.89,2919.5) v1@5571.89,2910.67 ; v1(5571.89,2904.33) 5571.89,2907.02 5551.66,2927.25 5551.66,2991.39 5563.57,3003.3 5571.3,3003.3 5660,3092 5660,3539.7 5694,3573.7 5694,3615 5650,3659 FX1.49@5650,3746.61 ; FX1.49@5632.99,3729.6 cw(c5591.92,3688.53) 5650,3688.53 cw(c5708.08,3688.53) FX1.49@5667.01,3729.6 ; FX1.49@5637.94,3734.55 cw(c5608.82,3705.43) 5650,3705.43 cw(c5691.18,3705.43) FX1.49@5662.06,3734.55